# Altium PCB dcdc fix PT1000_16CH.PCBDOC (part 5 of 5)
Units mm, origin at the board's own origin, x right, y up, seen from the top; angles counter-clockwise.
Board outline 289.59 x 100 mm, 4 copper layers (TOP, G1, L2, BOT), stack 1.55 mm thick; 578 components, 662 nets, 2471 pads, 1032 vias.
Unrouted connection lines stored in the file: 760.
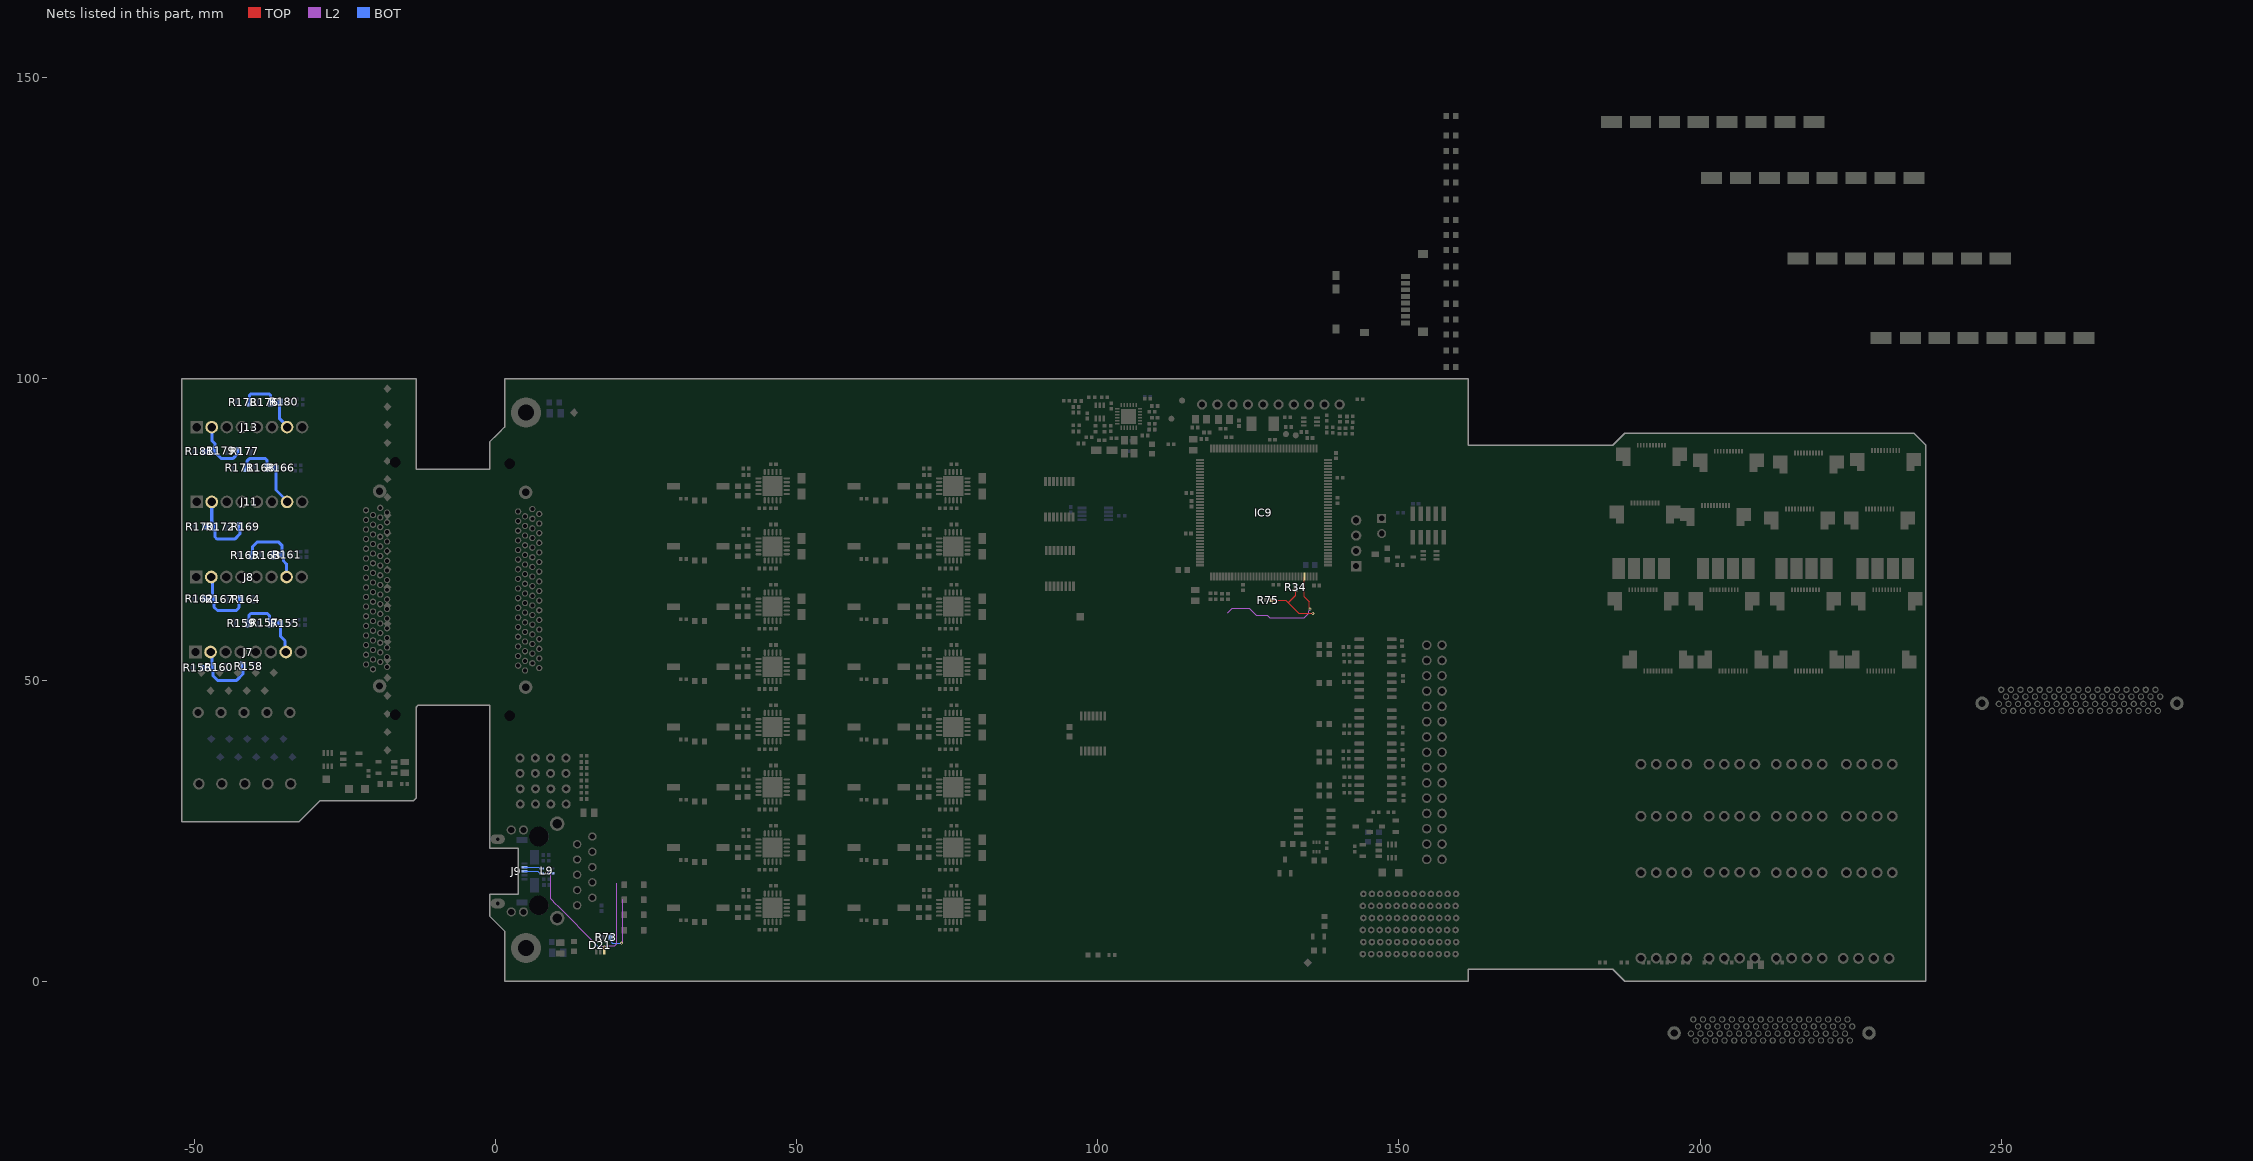
[diagram p7: the nets of this part, all layers, seen from the top]

## Via types
v1: diameter 0.5, hole 0.2, TOP to BOT, tented both sides, 951 vias
v2: diameter 0.7, hole 0.4, TOP to BOT, tented both sides, 56 vias
v3: diameter 0.6, hole 0.3, TOP to BOT, 10 vias
v4: diameter 0.6, hole 0.3, TOP to BOT, tented both sides, 5 vias
v5: diameter 0.5, hole 0.2, TOP to BOT, 5 vias
v6: diameter 0.66, hole 0.33, TOP to BOT, tented both sides, 5 vias

## Nets (pads, with @x,y where several pads share a name; then routed paths per layer and width w, separated by ;. In a path a pad name is that pad's centre, name@x,y a point inside that pad or via, vN(x,y) a via of type N, cw(c..) or ccw(c..) an arc to the next point about the centre after c; other vN are vias at no path point) (continued)
USB_P: D21.3 IC9.104 L9.3 | length 52
  TOP w0.127: v1(18.048,5.689) 18.048,4.902 D21.3@18.05,4.9
  TOP w0.17: IC9.104@134.328,67.194 134.239,67.105 134.239,63.867 135.079,63.027 135.079,62.012
  L2 w0.127: 121.596,61.175 122.32,61.898 125.134,61.898 126.276,60.757 128.146,60.757 128.583,60.32 134.31,60.32 135.058,61.068 135.058,61.54 135.231,61.714 v1(135.231,61.77)
  L2 w0.152: v1(8.475,18.009) 8.569,18.009 8.73,18.17 8.953,18.17 9.179,17.944 9.179,13.652 10.021,12.811 10.236,12.595 16.992,5.839 17.804,5.839 ; v1(18.048,5.689) 18.139,5.689 18.311,5.862 19.767,5.862 20.104,6.199 20.104,16.247
  BOT w0.127: 8.684,18.183 8.916,18.183 8.938,18.16 8.938,18.059 9.075,17.922 L9.3@9.325,17.922
USB_VBUS: R34.2 R73.1 R75.1 | length 20.3
  TOP w0.127: R75.1@128.798,63.294 131.193,63.294 131.62,62.867 ; R34.2@132.828,64.929 132.828,64.075 131.62,62.867 ; v1(135.691,61.094) 133.393,61.094 131.62,62.867
  L2 w0.127: v1(20.94,6.307) 21.15,6.517 21.15,13.55
  BOT w0.127: R73.1@19.175,7.275 19.175,6.525 19.393,6.307 v1(20.94,6.307)
USBJ_N: J9.2 L9.1 | length 2.9
  BOT w0.127: J9.2@4.8,18.9 7.197,18.9 7.375,18.722 L9.1@7.625,18.722
USBJ_P: J9.3 L9.4 | length 3
  BOT w0.127: J9.3@4.8,18.25 7.047,18.25 7.375,17.922 L9.4@7.625,17.922
Vrefb0+: J7.7 R155.1 R157.2 R159.2 | length 13
  BOT w0.5: R159.2@-41.123,59.461 -40.898,59.686 -40.898,60.799 -40.64,61.056 -37.9,61.056 -37.554,60.71 -37.554,59.712 R157.2@-37.329,59.487 -37.316,59.474 -35.738,59.474 R155.1@-35.725,59.461 -35.725,57.267 -34.971,56.512 -34.971,54.959 J7.7@-34.823,54.812
Vrefb0-: J7.2 R156.2 R158.2 R160.2 | length 13.1
  BOT w0.5: R156.2@-48.628,52.045 -48.59,52.083 -46.936,52.083 R160.2@-46.898,52.121 ; J7.2@-47.323,54.812 -47.111,54.599 -47.111,52.334 R160.2@-46.898,52.121 ; R158.2@-41.945,52.324 -41.945,50.994 -42.977,49.962 -46.155,49.962 -46.898,50.705 R160.2@-46.898,52.121
Vrefb1+: J8.7 R161.1 R163.2 R165.2 | length 14.3
  BOT w0.5: R165.2@-40.64,70.612 -40.335,70.917 -40.335,72.187 -39.624,72.898 -35.992,72.898 -35.42,72.326 R161.1@-35.42,70.841 ; R163.2@-37.033,71.171 -37.033,71.148 -36.688,70.802 -35.458,70.802 R161.1@-35.42,70.841 ; J8.7@-34.698,67.263 -34.698,69.242 ; -34.671,69.215 -34.698,69.242 ; R161.1@-35.42,70.841 -35.22,70.641 -35.22,69.764 -34.698,69.242
Vrefb1-: J8.2 R162.2 R164.2 R167.2 | length 13.1
  BOT w0.5: R162.2@-48.324,63.525 -48.273,63.475 R167.2@-46.787,63.475 ; J8.2@-47.219,67.361 -46.961,67.103 -46.961,63.649 R167.2@-46.787,63.475 ; R164.2@-42.443,63.449 -42.586,63.307 -42.586,62.012 -43.053,61.544 -46.177,61.544 -46.736,62.103 R167.2@-46.736,63.424 R167.2@-46.787,63.475
Vrefb2+: J11.7 R166.1 R168.2 R171.2 | length 13.8
  BOT w0.5: R171.2@-41.469,85.268 -41.244,85.493 -41.244,86.407 -40.885,86.766 -38.206,86.766 -37.913,86.474 R168.2@-37.913,85.268 -37.9,85.255 -36.462,85.255 R166.1@-36.449,85.242 -36.449,81.558 J11.7@-34.623,79.732
Vrefb2-: J11.2 R169.2 R170.2 R172.2 | length 13.7
  BOT w0.5: R170.2@-48.273,75.463 R172.2@-46.609,75.463 ; J11.2@-47.123,79.732 -47.123,76.227 -46.609,75.713 R172.2@-46.609,75.463 ; R169.2@-42.453,75.489 -42.453,74.268 -43.315,73.406 -46.203,73.406 -46.568,73.771 -46.568,75.422 R172.2@-46.609,75.463
Vrefb3+: J13.7 R176.2 R178.2 R180.1 | length 12.3
  TOP w0.127: J13.7@-34.621,92.153 J13.7@-34.442,92.153
  BOT w0.5: R178.2@-40.885,96.114 -40.885,97.243 -40.592,97.536 -37.631,97.536 -37.338,97.243 R176.2@-37.338,96.139 -37.3,96.177 -35.89,96.177 R180.1@-35.852,96.215 -35.852,93.384 J13.7@-34.621,92.153
Vrefb3-: J13.2 R177.2 R179.2 R181.2 | length 11.3
  BOT w0.5: R181.2@-48.298,87.986 -48.247,88.036 -46.618,88.036 R179.2@-46.568,88.087 ; J13.2@-47.121,92.153 -47.121,89.793 -46.609,89.281 -46.609,88.129 R179.2@-46.568,88.087 ; R177.2@-42.681,87.986 -42.681,87.736 -43.651,86.766 -45.497,86.766 -46.568,87.837 R179.2@-46.568,88.087
pads on no net: D3.1 D3.6 D12.2 D21.6 D27.1 D27.6 D36.1 D36.3 FTG1.1 FTG2.1 FTG3.1 FTG4.1 IC2.5 IC9.3 IC9.4 IC9.5 IC9.14 IC9.15 IC9.18 IC9.29 IC9.34 IC9.37 IC9.46 IC9.47 IC9.49 IC9.58 IC9.60 IC9.64 IC9.67 IC9.70 IC9.81 IC9.82 IC9.85 IC9.86 IC9.89 IC9.90 IC9.91 IC9.92 IC9.96 IC9.97 IC9.115 IC9.117 IC9.118 IC9.119 IC9.122 IC9.123 IC9.127 IC28.5 IC29.3 IC29.4 IC29.6 IC30.5 IC30.6 IC33.4 IC36.3 IC36.5 IC36.6 IC39.3 IC39.4 IC39.6 IC84_1.17 IC84_1.18 IC84_2.17 IC84_2.18 IC84_3.17 IC84_3.18 IC84_4.17 IC84_4.18 IC84_5.17 IC84_5.18 IC84_6.17 IC84_6.18 IC84_7.17 IC84_7.18 IC84_8.17 IC84_8.18 IC84_9.17 IC84_9.18 IC84_10.17 IC84_10.18 IC84_11.17 IC84_11.18 IC84_12.17 IC84_12.18 IC84_13.17 IC84_13.18 IC84_14.17 IC84_14.18 IC84_15.17 IC84_15.18 IC84_16.17 IC84_16.18 J1.71 J1.72 J2.71 J2.72 J3.A5 J3.B1 J3.B5 J3.B6 J3.C6 J3.D5 J3.E2 J3.E4 J3.E5 J3.F2 J3.F4 J3.G3 J3.H2 J3.H3 J3.H6 J3.I2 J3.I6 J3.J3 J3.K3 J3.K6 J3.L2 J3.L6 J10.MH1 J10.MH2 J21.7 J21.9 J500.69 J500.70 J500.71 J500.72 J501.MECH J511.MECH J512.MECH J513.MECH J514.69 J514.70 J514.71 J514.72 J517.MECH J521.MECH J522.MECH J525.MECH J534.MECH J543.MECH J552.MECH J561.MECH J562.MECH J571.MECH J580.MECH J589.MECH
copper on no net: | length 379.4
  TOP w0.127: 72.4,94.385 73.9,94.385 74.25,94.735 v1(75.075,94.735) ; 81.512,93.462 81.525,93.475 81.512,93.488 ; 83.839,94.495 85.243,94.495 85.756,95.008 87.206,95.008 ; 89.806,95.008 91.402,95.008 91.552,94.858 ; 91.53,93.236 91.552,93.258 ; 97.076,55.834 97.087,55.845 ; v1(118.317,21.285) 118.317,21.977 118.856,22.517 120.283,22.517 ; 118.415,49.918 v1(118.415,50.52) ; 120.578,60.318 120.69,60.431 121.668,60.431 121.607,60.492 ; 121.95,58.531 123.215,58.531 124.435,59.751 126,59.751 ; v1(125.071,22.517) 126.583,22.517 ; v1(125.16,23.756) 125.191,23.787 126.583,23.787 ; v1(125.378,18.052) 125.378,18.979 125.465,19.066 ; 126.415,16.766 126.415,15.992 126.583,15.824 132.255,15.824 134.008,14.072 136.529,14.072 ; 127.365,19.066 v1(128.304,19.066) ; 128.234,47.256 128.141,47.349 128.141,48.693 v1(128.919,48.693) ; 128.315,10.9 128.183,11.033 128.183,12.647 128.823,12.647 129.006,12.83 129.006,13.889 129.188,14.072 130.229,14.072 ; 130.229,12.802 131.345,12.802 132.5,11.646 132.5,10.72 133.251,10.72 133.633,10.338 133.633,8.705 133.187,8.259 133.187,8.209 132.8,7.822 132.75,7.822 ; 138.203,76.069 141.468,76.069 142.037,75.499 144.533,75.499 144.602,75.569 v1(144.635,75.569) ; v1@143.482,60.94 v1@143.565,60.856 ; 145.371,61.803 145.405,61.77 145.655,62.02 ; v1(150.125,61.17) 150.125,61.803
  TOP w0.254: 64.77,92.558 64.77,91.694 65.474,90.99 69.645,90.99 70.698,89.938 70.698,89.713 ; 64.84,89.3 65.151,89.611 ; 65.163,92.362 65.68,91.845 67.1,91.845 ; 67.142,89.713 68.698,89.713 ; 76.885,93.135 77.225,93.475 77.225,92.319 81.329,88.215 v1(89.039,88.215) ; v1(81.512,92.195) 81.512,93.462 ; 81.512,93.488 v1(81.512,94.659) ; v2(82.601,94.945) 82.686,94.86 82.686,94.688 83.819,93.555 83.839,93.555 ; v1(91.53,92.25) 91.53,93.236 ; 91.552,94.858 91.811,95.117 92.459,95.117 v1(92.46,95.116) ; 97.076,51.143 97.276,51.344 98.866,51.344 ; 97.076,53.489 97.239,53.652 99.686,53.652 ; 97.087,55.845 99.686,55.845 ; 100.466,51.344 100.508,51.385 101.789,51.385 ; 100.466,58.205 100.474,58.197 101.789,58.197 ; 100.466,60.476 100.474,60.468 101.789,60.468 ; 100.626,53.652 100.63,53.656 101.789,53.656 ; 100.626,55.845 100.707,55.926 101.789,55.926 ; v1(103.257,8.677) 105.998,8.677 ; 103.272,9.953 103.974,9.953 104.285,10.264 v1(104.283,10.264) ; 103.325,11.55 v1(104.079,11.55) ; 104.33,70.4 104.33,70.42 ; 105.15,67.425 105.27,67.545 105.27,70.4 106.325,70.4 106.258,70.467 106.258,71.564 106.11,71.713 106.01,71.713 105.837,71.886 105.837,72.361 ; 111.76,53.485 114.662,53.485 115.256,52.891 117.765,52.891 ; 116.69,21.31 119.125,23.745 120.241,23.745 120.283,23.787 ; 118.415,48.978 118.435,48.978 119.007,49.55 119.71,49.55 120.376,49.55 120.853,50.027 121.267,50.027 121.29,50.05 122.366,50.05 122.815,49.6 122.865,49.6 ; 119.71,49.05 119.805,49.05 ; 119.828,47.733 119.828,49.027 119.805,49.05 ; v1(120.5,49.014) 120.464,49.014 120.428,49.05 119.805,49.05 ; v1(120.887,55.48) 120.912,55.456 123.141,55.456 123.165,55.431 ; 121.29,49.05 121.352,49.05 121.375,49.027 121.333,49.027 121.333,48.546 v2(121.375,48.504) ; 121.29,49.55 121.313,49.527 121.608,49.527 122.492,48.642 122.492,48.323 122.815,48 122.865,48 ; v2(121.375,52.124) 121.404,52.124 121.906,51.621 123.165,51.621 ; v1(121.398,46.518) 121.404,46.523 121.404,46.58 121.4,46.583 121.4,47.458 ; 123.165,52.891 123.3,53.026 124.321,53.026 124.506,53.211 125.85,53.211 ; 124.55,60.431 124.8,60.431 125.728,60.431 ; 125.934,20.502 125.934,20.452 126.36,20.025 126.36,18.123 125.466,17.229 125.466,16.11 126.077,15.499 131.261,15.499 132.048,15.499 134.745,12.802 136.529,12.802 ; 127.211,20.129 127.534,20.452 127.534,20.502 127.753,20.722 127.753,21.234 v2(128.48,21.962) ; 130.763,10.652 130.988,10.652 131.336,10.304 131.336,10.247 131.803,9.78 132.5,9.78 ; 144.421,64.714 144.421,65.043 145.069,65.691 146.098,65.691 146.271,65.864 146.271,66.114 ; 148.237,63.454 148.237,63.704 149.154,64.621 150.125,64.621 150.125,65.629 ; 150.125,62.751 150.125,63.681
  TOP w0.3: v1(84.319,92.848) 85.396,92.848 85.406,92.858 85.581,92.858 85.956,93.233 85.956,93.408 86.475,93.928 87.075,93.928 87.206,94.058 ; 103.439,51.385 v4@104.314,51.385 ; 103.439,53.656 v4(104.314,53.656) ; 103.439,55.926 v4(104.314,55.926) ; 103.439,58.197 v4(104.314,58.197) ; 103.439,60.468 103.494,60.412 104.215,60.412 v4(104.27,60.357) ; v1(120.451,20.955) 120.451,20.151 120.4,20.1 v1(121.797,20.1) ; 120.578,59.378 120.68,59.481 121.95,59.481 122.1,59.631 122.492,59.631 122.526,59.665 122.601,59.665 122.839,59.902 122.839,60.083 v1(122.877,60.121) ; v1(122.918,21.36) 122.918,20.582 123.2,20.3 124.535,20.3 v1(124.591,20.244) ; v1@124.236,43.025 125.217,43.025 125.85,43.658 ; v1(124.253,27.996) 125.396,27.996 125.85,27.542 ; v1(125.85,29.11) 125.85,27.542 ; v1(125.85,45.18) 125.85,43.658 ; v1(127.527,43.02) 127.518,43.029 126.48,43.029 125.85,43.658 ; v1(127.543,27.996) 126.458,27.996 125.927,27.465 125.85,27.542 ; v1@143.482,60.94 143.482,61.912 ; 145.655,62.02 v1(146.269,62.02) ; v1(147.202,65.139) 147.202,65.969 147.287,66.054 147.249,66.017 ; 147.212,66.054 v1(147.212,67.045)
  TOP w0.4: 102.517,6.325 104.956,6.325 105.998,7.366 105.998,8.677
  TOP w0.5: v2@75.36,93.091 77.038,93.091 77.064,93.116
  TOP w0.508: v1(63.275,94.971) 63.575,94.671 64.479,94.671 64.758,94.393 67.092,94.393 67.1,94.385 ; 105.825,79.5 105.825,77.773 105.837,77.761 ; 105.99,80.935 106.04,80.935 106.119,80.856 106.819,80.856 106.875,80.8 ; v1(107.225,69.754) 107.225,70.4 108.122,70.4 108.377,70.655 108.377,72.361 ; 128.234,46.316 128.257,46.293 v1(128.848,46.293) ; 143.482,61.912 143.537,61.858 145.317,61.858 145.371,61.803 ; v1@147.833,93.3 149.55,93.3 ; v1@149.55,95.075 149.55,93.3 ; v1@151.341,93.3 149.55,93.3
  TOP w0.762: 111.76,7.753 109.479,10.034 109.479,21.398 110.815,22.734 113.041,22.734 114.465,21.31 116.69,21.31 117.5,20.5 117.5,19.572 118.928,18.144 119.031,18.144 120,17.175 120,17 ; 111.76,10.293 116.282,10.293 118.184,12.195 120.905,12.195 122.77,14.06 122.77,14.75 ; 120.23,14.75 120.23,16.73 ; 120.5,4.5 120.5,7.25 120.5,9.554 120.946,10 123.5,10 126.185,7.315 126.185,6.128 126.572,5.74 ; 122.77,7.25 122.711,7.191 122.711,5.487 123.158,5.04 123.408,5.04 123.5,4.948 123.5,4 ; 122.918,7 v2(124,7) ; 123.06,14.06 123.2,14.2 123.2,17.3 ; v2(125.466,12.377) 125.752,12.663 126.517,12.663 126.583,12.597 126.415,12.43 126.415,10.9 ; 126.5,10.5 127.246,9.754 128.96,9.754 129.764,10.558 130.444,10.558 130.538,10.652 130.763,10.652 ; 127.5,8.5 127.611,8.611 v2(128.756,8.611) 128.883,8.484 129.998,8.484 130.072,8.558 130.669,8.558 130.763,8.652
  TOP w1.016: 122.589,60.318 124.376,58.531 ; 124.55,58.531 125.304,58.531 125.85,57.985 125.85,56.211
  L2 w0.127: v1(125.85,29.11) v1@125.861,29.121
  L2 w0.762: v2(124,7) 127.146,7 v2(128.756,8.611)
  BOT w0.127: 116.76,12.833 116.997,12.833 123.317,19.153 123.317,21.285 ; v1(144.635,75.569) 145.492,74.711 145.492,51.621 145.492,39.243 145.214,38.964 145.214,33.01
  BOT w0.2: 67.102,14.843 70.3,14.843
  BOT w0.254: 108.257,8.677 108.257,9.587 108.275,9.605 ; 108.275,10.545 109.002,10.545 109.283,10.264
  BOT w0.5: 73.394,93.091 v2(75.336,93.091)
  other v1: 185.975,2.842 185.975,3.342 185.975,3.842 183.495,4.067 185.975,4.342 183.495,4.567 185.975,4.842 183.495,5.067 185.975,5.342 183.495,5.584 185.975,5.842 183.495,6.084 183.495,6.584 185.995,6.671 183.495,7.084 185.995,7.171 183.495,7.584 185.995,7.671 183.495,8.084 185.995,8.171 183.495,8.584 185.995,8.671 185.995,9.171 183.495,9.199 185.995,9.671 183.495,9.699 183.495,10.199 185.995,10.671 183.495,10.699 185.995,11.171 183.495,11.199 185.995,11.671 183.495,11.699 185.995,12.171 183.495,12.199 185.995,12.671 183.495,13 185.995,13.171 183.495,13.5 185.995,13.671 183.495,14 183.495,14.5 185.995,14.566 183.495,15 185.995,15.066 183.495,15.5 185.995,15.566 183.495,16 185.995,16.066 185.995,16.566 183.495,17 185.995,17.066 183.495,17.5 185.995,17.566 183.495,18 185.995,18.171 183.495,18.5 185.995,18.671 183.495,19 185.995,19.171 183.495,19.5 185.995,19.671 183.495,20 185.995,20.171 185.995,20.671 183.495,21 185.995,21.171 183.495,21.5 183.495,22 183.495,22.5 183.495,23 183.495,23.5 183.495,24 183.495,25 183.495,25.5 183.495,26 183.495,26.5 183.495,27 183.495,27.5 183.495,28 183.495,29 183.495,29.5 183.495,30 183.495,30.5 183.495,31 183.495,31.5 183.495,32 183.495,32.895 183.495,33.395 183.495,33.895 183.495,34.395 183.495,34.895 183.495,35.395 183.495,35.895 183.495,36.75 183.495,37.25 183.495,37.75 183.495,38.25 183.495,38.75 183.495,39.25 183.495,39.75 183.495,40.59 183.495,41.09 183.495,41.59 184.495,42 184.995,42 185.495,42 185.995,42 186.495,42 186.995,42 187.495,42 188.254,42 188.754,42 189.254,42 189.754,42 190.254,42 190.754,42 191.254,42 191.864,42 192.364,42 192.864,42 193.364,42 193.864,42 194.364,42 194.864,42 195.464,42 195.964,42 196.464,42 196.964,42 197.464,42 197.964,42 198.464,42 199.214,42 199.714,42 200.214,42 200.714,42 201.214,42 201.714,42 202.214,42 202.884,42 203.384,42 203.884,42 204.384,42 204.884,42 205.384,42 205.884,42 206.389,42 206.889,42 207.389,42 207.889,42 208.389,42 208.889,42 209.389,42 209.995,42 210.495,42 210.995,42 211.495,42 211.995,42 212.495,42 212.995,42 213.635,42 214.135,42 214.635,42 215.135,42 215.635,42 216.135,42 216.635,42 217.274,42 217.774,42 218.274,42 218.774,42 219.274,42 219.774,42 220.274,42 220.995,42 221.495,42 221.995,42 222.495,42 222.995,42 223.495,42 223.995,42 224.724,42 225.224,42 225.724,42 226.224,42 226.724,42 227.224,42 227.724,42 228.384,42 228.884,42 229.384,42 229.884,42 230.384,42 230.884,42 231.384,42 231.964,42 232.464,42 232.964,42 233.464,42 233.964,42 234.464,42 234.964,42 235.495,42 235.995,42 236.495,42 183.495,42.09 183.495,42.59 185.995,43 124.231,43.02 183.495,43.09 185.995,43.5 183.495,43.59 185.995,44 183.495,44.481 185.995,44.5 183.495,44.981 185.995,45 183.495,45.481 185.995,45.5 183.495,45.981 185.995,46 183.495,46.481 183.495,46.981 185.995,47 183.495,47.481 185.995,47.5 185.995,48 183.495,48.5 185.995,48.5 183.495,49 185.995,49 183.495,49.5 185.995,49.5 183.495,50 185.995,50 183.495,50.5 185.995,50.895 183.495,51 185.995,51.395 183.495,51.5 185.995,51.895 183.495,52.397 185.995,52.395 185.995,52.895 183.495,52.897 183.495,53.397 185.995,53.395 183.495,53.897 185.995,53.895 183.495,54.397 185.995,54.5 183.495,54.897 185.995,55 183.495,55.397 185.995,55.5 185.995,56 183.495,56.334 185.995,56.5 183.495,56.834 185.995,57 183.495,57.334 185.995,57.5 183.495,57.834 183.495,58.334 184.495,58.632 184.995,58.632 185.495,58.632 185.995,58.632 186.495,58.632 186.995,58.632 187.495,58.632 188.254,58.632 188.754,58.632 189.254,58.632 189.754,58.632 190.254,58.632 190.754,58.632 191.254,58.632 191.864,58.632 192.364,58.632 192.864,58.632 193.364,58.632 193.864,58.632 194.364,58.632 194.864,58.632 195.464,58.632 195.964,58.632 196.464,58.632 196.964,58.632 197.464,58.632 197.964,58.632 198.464,58.632 199.214,58.632 199.714,58.632 200.214,58.632 200.714,58.632 201.214,58.632 201.714,58.632 202.214,58.632 202.884,58.632 203.384,58.632 203.884,58.632 204.384,58.632 204.884,58.632 205.384,58.632 205.884,58.632 206.389,58.632 206.889,58.632 207.389,58.632 207.889,58.632 208.389,58.632 208.889,58.632 209.389,58.632 209.995,58.632 210.495,58.632 210.995,58.632 211.495,58.632 211.995,58.632 212.495,58.632 212.995,58.632 213.635,58.632 214.135,58.632 214.635,58.632 215.135,58.632 215.635,58.632 216.135,58.632 216.635,58.632 217.274,58.632 217.774,58.632 218.274,58.632 218.774,58.632 219.274,58.632 219.774,58.632 220.274,58.632 220.995,58.632 221.495,58.632 221.995,58.632 222.495,58.632 222.995,58.632 223.495,58.632 223.995,58.632 224.724,58.632 225.224,58.632 225.724,58.632 226.224,58.632 226.724,58.632 227.224,58.632 227.724,58.632 228.384,58.632 228.884,58.632 229.384,58.632 229.884,58.632 230.384,58.632 230.884,58.632 231.384,58.632 231.964,58.632 232.464,58.632 232.964,58.632 233.464,58.632 233.964,58.632 234.464,58.632 234.964,58.632 235.495,58.632 235.995,58.632 236.495,58.632 183.495,58.834 183.495,59.334 224.495,59.482 197.464,59.5 210.964,59.5 197.464,60 210.964,60 224.495,59.982 183.495,60.271 224.495,60.482 197.464,60.5 210.964,60.5 143.565,60.77 183.495,60.771 224.495,60.982 197.464,61 210.964,61 183.495,61.271 197.464,61.5 210.964,61.5 224.495,61.482 183.495,61.771 224.495,62 197.464,62.018 210.964,62.018 183.495,62.271 197.464,62.518 210.964,62.518 224.495,62.5 183.495,62.771 224.495,63 197.464,63.018 210.964,63.018 183.495,63.271 224.495,63.5 197.464,63.518 210.964,63.518 197.464,64.018 210.964,64.018 224.495,64 183.495,64.209 224.495,64.5 197.464,64.518 210.964,64.518 183.495,64.709 224.495,65 197.464,65.018 210.964,65.018 183.495,65.209 183.495,65.709 197.464,65.795 210.964,65.795 224.495,65.777 183.495,66.209 224.495,66.277 197.464,66.295 210.964,66.295 183.495,66.709 224.495,66.777 197.464,66.795 210.964,66.795 183.495,67.209 197.464,67.295 210.964,67.295 224.495,67.277 224.495,67.777 197.464,67.795 210.964,67.795 183.495,68 224.495,68.277 197.464,68.295 210.964,68.295 183.495,68.5 197.464,68.795 210.964,68.795 224.495,68.777 183.495,69 224.495,69.392 197.464,69.41 210.964,69.41 183.495,69.5 197.464,69.91 210.964,69.91 224.495,69.892 183.495,70 224.495,70.392 197.464,70.41 210.964,70.41 183.495,70.5 183.495,71 184.495,71 184.995,71 185.495,71 185.995,71 186.495,71 186.995,71 187.495,71 188.254,71 188.754,71 189.254,71 189.754,71 190.254,71 190.754,71 191.254,71 191.864,71 192.364,71 192.864,71 193.364,71 193.864,71 194.364,71 194.864,71 195.464,71 195.964,71 196.464,71 196.964,71 197.464,71 197.964,71 198.464,71 199.214,71 199.714,71 200.214,71 200.714,71 201.214,71 201.714,71 202.214,71 202.884,71 203.384,71 203.884,71 204.384,71 204.884,71 205.384,71 205.884,71 206.389,71 206.889,71 207.389,71 207.889,71 208.389,71 208.889,71 209.389,71 209.995,71 210.495,71 210.995,71 211.495,71 211.995,71 212.495,71 212.995,71 213.635,71 214.135,71 214.635,71 215.135,71 215.635,71 216.135,71 216.635,71 217.274,71 217.774,71 218.274,71 218.774,71 219.274,71 219.774,71 220.274,71 220.995,71 221.495,71 221.995,71 222.495,71 222.995,71 223.495,71 223.995,71 224.724,71 225.224,71 225.724,71 226.224,71 226.724,71 227.224,71 227.724,71 228.384,71 228.884,71 229.384,71 229.884,71 230.384,71 230.884,71 231.384,71 231.964,71 232.464,71 232.964,71 233.464,71 233.964,71 234.464,71 234.964,71 235.495,71 235.995,71 236.495,71 183.495,71.48 183.495,71.98 183.495,72.48 183.495,72.98 183.495,73.48 183.495,73.98 183.495,74.48 183.495,75 183.495,75.5 183.495,76 183.495,76.5 183.495,77 183.495,77.5 183.495,78 183.495,78.5 183.495,79 183.495,79.5 183.495,80 183.495,80.5 183.495,81 183.495,81.5 183.495,82 183.495,82.5 183.495,83 183.495,83.5 183.495,84 183.495,84.5 183.495,85 183.495,85.5 183.495,86 183.495,86.5 183.495,87 183.495,87.5 183.495,88 147.797,93.296 151.341,93.296 149.554,95.12
  other v3: 69.755,92.541 70.688,92.532 68.859,92.558 68.885,93.751 69.774,93.802 70.688,93.802 70.714,94.996 68.809,95.021 69.774,95.021
  other v4: 104.389,51.385

## Polygon pours and split planes (outlines as drawn)
P3V3 on TOP "O8_Vs2" (solid, remove dead copper, shelved, pour order 53): 113.723,92.55 113.723,65.094 115.84,62.977 137.87,62.977 139.744,61.102 142.697,61.102 143.217,61.623 143.217,66.56 144.536,67.879 153.05,67.879 154.864,69.693 154.864,77.655 152.95,79.569 145.248,79.569 142.866,81.951 142.866,96.426 141.659,97.632 115.546,97.632 113.575,95.661 113.575,92.53
P12V0_IN on TOP "TOP-P12V0_IN" (solid, remove dead copper, shelved, pour order 51): 125.376,51.393 125.883,50.886 129.31,50.886 130.086,51.662 133.49,51.662 133.525,51.697 133.798,51.424 133.798,22.163 135.763,20.198 145.461,10.5 151.052,10.5 151.749,11.197 151.749,13.757 148.603,16.904 145.799,16.904 140.223,22.48 140.223,55.798 141.447,57.023 153.775,57.023 161.5,64.748 161.5,90.036 155.036,96.5 145.039,96.5 143.529,94.989 143.529,82.361 145.621,80.269 156.7,80.269 157.803,79.166 157.803,67.209 151.284,60.691 134.244,60.691 133.234,59.68 133.234,55.164 126.137,55.207 125.376,54.447
no net on TOP "O8_Vs2" (solid, remove dead copper, shelved, pour order 48): 133.554,51.308 133.579,31.572 115.864,31.572 115.864,56 117.014,57.15 123.654,57.15 124.71,56.094 124.71,48.792 126.375,47.127 128.165,47.127 128.828,47.789 128.828,49.768 130.368,51.308
P12V0 on TOP "O8_Vs2" (solid, remove dead copper, shelved, pour order 55): 108.687,58.007 113.011,62.332 122.497,62.332 126.298,58.531 131.895,58.531 132.705,57.721 132.705,55.842 132.344,55.481 125.668,55.481 121.785,59.364 116.705,59.364 115.637,58.296 115.637,25.382 113.011,22.757 113.011,3.711 111.4,2.1 109.425,2.1 108.687,2.838
P12V0_EEM on TOP "O8_Vs2" (solid, remove dead copper, shelved, pour order 47): 152.578,9.042 159.004,9.042 161.011,11.049 161.011,22.758 159.588,24.181 154.178,24.181 152.537,22.54 152.537,9.109 152.578,9.068
AVDDT_PHY on BOT "O8_Vs2" (solid, remove dead copper, shelved, pour order 56): 102.46,97.104 104.22,95.344 104.22,89.38 102.775,87.935 95.758,87.935 93.929,89.764 93.929,94.417 95.535,96.023 97.378,96.023 98.46,97.104
P3V3 on L2 "O8_Vs2" (solid, remove dead copper, shelved, pour order 52): 140.382,27.356 140.382,60.022 137.344,63.059 115.376,63.059 114.117,64.318 114.117,67.407 115.739,69.029 132.358,69.029 135.078,71.749 135.078,86.951 134.536,87.493 107.96,87.493 105.825,89.628 86.013,89.628 85.319,90.322 85.319,92.498 85.217,92.6 88.304,95.687 114.53,95.687 116.843,98 149.071,98 158.318,88.753 158.318,29.591 154.404,25.677 141.274,25.677 140.411,26.539 140.411,27.356
GND on G1 (split plane): 162 vertices, not listed, extent -51.586,0.51 236.984,99.49

## Keep-outs
KeepOutLayer:
  lines w0.254: 160.56,85.164 cw(c158.641,85.185) 160.56,85.185 ; 183.092,1.597 185.898,1.597 187.495,0 237.495,0 237.495,21.367 237.918,21.79 237.918,51.356 237.495,51.779 237.495,89 235.495,91 187.495,91 185.747,89.252 183.242,89.252

## Other copper
TOP:
  rectangle net LVDS0_P: 149.428,55.27 149.835,55.601
  rectangle net LVDS0_N: 149.377,56.439 149.835,56.794
  rectangle net NetIC19_6: 141.656,55.296 142.164,55.677
  rectangle net NetIC32_2: 141.986,32.334 142.723,32.817
  rectangle net NetIC32_3: 142.037,31.039 142.773,31.572
  rectangle net LVDS3_N: 150.038,40.996 150.495,41.402
  rectangle net LVDS4_P: 149.143,37.877 150.084,38.457
  rectangle net LVDS4_N: 149.09,39.191 149.988,39.746
BOT:
  rectangle net GND: 104.135,92.759 106.135,94.872
  rectangle net LVDS0_N: 149.377,56.439 149.86,56.82
  rectangle net LVDS0_P: 149.352,55.22 149.835,55.677
  rectangle net LVDS4_N: 149.428,39.294 149.809,39.675
  rectangle net LVDS4_P: 149.352,37.998 149.809,38.405
  rectangle net NetIC32_3: 142.367,31.064 142.9,31.521
G1 (plane layer: these items are gaps in the copper):
  rectangle: 14.475,22 15.878,23.525

## Silkscreen, mask and mechanical layers (free items; w line width, h text height)
TopOverlay:
  drawing of 542 lines, arcs and shapes, not listed
  text "GND" at -51.223,97.747 h1
  text "WUT ISE / CTI 2024" at 94.75,97.627 h1.02
  text "PT1000_8CH v2.0" at 65,97.5 h1.52
  text "SENS7" at -47.425,96.973 h1.2
  text "SENS6" at -39.936,96.973 h1.2
  text "+12V" at 151.473,91.215 h1.02
  text "GND" at -50.998,85.807 h1
  text "SENS5" at -47.425,84.577 h1.2
  text "SENS4" at -40.012,84.577 h1.2
  text "BOOT" at 146.8,77.427 h1 r270
  text "UART" at 140.132,76.54 h1
  text "GND" at 141.186,75.007 h1 r90
  text "GND" at -51.348,73.288 h1
  text "TX" at 139.268,73.075 h1
  text "SENS3" at -47.374,71.776 h1.2
  text "SENS2" at -39.962,71.776 h1.2
  text "RX" at 139.144,70.732 h1
  text "CPU JTAG" at 156.997,69.113 h1
  text "3V3" at 140.843,66.75 h1 r90
  text "SENS6" at 196.32,66.481 h0.76 r90
  text "SENS4" at 210.145,66.295 h0.76 r90
  text "SENS2" at 223.345,66.237 h0.76 r90
  text "SENS0" at 236.545,65.902 h0.76 r90
  text "F+" at 185.845,65.734 h0.76
  text "F+" at 185.845,65.734 h0.76
  text "I+" at 188.25,65.734 h0.76
  text "I+" at 188.25,65.734 h0.76
  text "I-" at 190.655,65.734 h0.76
  text "I-" at 190.655,65.734 h0.76
  text "F-" at 193.06,65.734 h0.76
  text "F-" at 193.06,65.734 h0.76
  text "F+" at 199.845,65.734 h0.76
  text "I+" at 202.25,65.734 h0.76
  text "I-" at 204.655,65.734 h0.76
  text "F-" at 207.06,65.734 h0.76
  text "F+" at 212.845,65.734 h0.76
  text "I+" at 215.25,65.734 h0.76
  text "I-" at 217.655,65.734 h0.76
  text "F-" at 220.06,65.734 h0.76
  text "F+" at 226.345,65.734 h0.76
  text "I+" at 228.75,65.734 h0.76
  text "I-" at 231.155,65.734 h0.76
  text "F-" at 233.56,65.734 h0.76
  text "EEM Downstream" at 150.956,64.15 h1
  text "/ Upstream" at 150.756,62.02 h1
  text "GND" at -50.873,60.562 h1
  text "SENS1" at -47.265,59.512 h1.2
  text "SENS0" at -39.853,59.512 h1.2
  text "SENS 0 1" at 225.539,48.745 h1.27
  text "SENS 2 3" at 212.785,48.693 h1.27
  text "SENS 6 7" at 186.766,48.641 h1.27
  text "SENS 4 5" at 199.279,48.632 h1.27
  text "GND" at -43.277,39.534 h1
  text "TEC3" at -50.643,39.472 h1.52
  text "TEC2" at -39.116,39.472 h1.52
  text "P3V3" at 62.153,36.378 h0.7 r90
  text "TEC1" at -50.157,27.915 h1.52
  text "GND" at -42.922,27.915 h1
  text "TEC0" at -38.704,27.915 h1.52
  text "SDA" at 148.196,15.64 h1
  text "SCL" at 144.877,15.566 h1
  text "4" at 189.674,14.461 h0.76 r180
  text "1" at 198.781,14.461 h0.76 r180
  text "4" at 223.254,14.461 h0.76 r180
  text "1" at 232.361,14.461 h0.76 r180
  text "SENS6" at 190.071,12.913 h1.52
  text "SENS4" at 202.509,12.913 h1.52
  text "SENS2" at 213.751,12.913 h1.52
  text "SENS0" at 223.636,12.913 h1.52
  text "P12V0" at 107.872,7.641 h0.7 r90
  text "4-F+ / 3-I+ / 2-I- / 1-F-" at 232.564,7.413 h1.02
  text "1" at 222.786,7.305 h0.76
  text "4" at 231.894,7.305 h0.76
  text "SENS7" at 190.071,6.933 h1.52
  text "SENS5" at 201.865,6.933 h1.52
  text "SENS3" at 212.995,6.933 h1.52
  text "SENS1" at 223.995,6.883 h1.52
BottomOverlay:
  drawing of 541 lines, arcs and shapes, not listed
  text "WUT ISE / CTI 2024" at 33.25,97.627 h1.02
  text "PT1000_8CH v2.0" at 62.75,97.5 h1.52
  text "F+" at 185.845,66.766 h0.76 r180
  text "I+" at 188.25,66.766 h0.76 r180
  text "I-" at 190.655,66.766 h0.76 r180
  text "F-" at 193.06,66.766 h0.76 r180
  text "F+" at 199.845,66.766 h0.76 r180
  text "I+" at 202.25,66.766 h0.76 r180
  text "I-" at 204.655,66.766 h0.76 r180
  text "F-" at 207.06,66.766 h0.76 r180
  text "F+" at 212.845,66.766 h0.76 r180
  text "I+" at 215.25,66.766 h0.76 r180
  text "I-" at 217.655,66.766 h0.76 r180
  text "F-" at 220.06,66.766 h0.76 r180
  text "F+" at 226.345,66.766 h0.76 r180
  text "I+" at 228.75,66.766 h0.76 r180
  text "I-" at 231.155,66.766 h0.76 r180
  text "F-" at 233.56,66.766 h0.76 r180
  text "SENS7" at 195.464,66.49 h0.76 r270
  text "SENS5" at 209.165,66.361 h0.76 r270
  text "SENS3" at 222.495,66.237 h0.76 r270
  text "SENS1" at 235.645,66.074 h0.76 r270
  text "WUT ISE 2021" at -20.621,60.475 h1.02 r270
  text "Thermostat 8CH /  breakout board v1.0" at -19.096,53 h1.52 r270
BottomSolder:
  rectangle: 219.242,0.199 225.947,3.171
  rectangle: 219.242,0.199 225.947,3.171
  rectangle: 219.242,0.199 225.947,3.171
  rectangle: 219.242,0.199 225.947,3.171
  rectangle: 219.242,14.499 225.947,17.471
  rectangle: 219.242,14.499 225.947,17.471
  rectangle: 219.242,14.499 225.947,17.471
  rectangle: 219.242,48.799 225.947,51.771
  rectangle: 219.242,48.799 225.947,51.771
  rectangle: 219.242,63.099 225.947,66.071
  rectangle: 219.242,63.099 225.947,66.071
  rectangle: 71.542,-117.6 78.248,-114.628
  rectangle: 42.442,-76.6 49.148,-73.628
  rectangle: 44.642,-110.6 51.348,-107.628
  rectangle: 3.142,-32.2 9.848,-29.228
  rectangle: 47.87,8.68 54.575,11.652
  rectangle: 47.142,44.145 53.848,47.117
  rectangle: 47.142,61.9 53.848,64.872
  rectangle: 70.39,66.319 77.095,69.291
  rectangle: 104.191,92.862 106.045,94.742
Mechanical1:
  lines w0.1: -52.096,26.5 -52.095,45.796 -52.096,45.805 -52.096,100 -13.195,100 -13.195,85.014 -0.989,85.014 -0.989,89.511 0.5,91 1.5,92 1.5,100 161.495,100 161.495,89 185.495,89 187.495,91 235.495,91 237.495,89 237.495,0 236.495,0 187.495,0 185.495,2 161.495,2 161.495,0 159.495,0 1.5,0 1.5,8.32 -0.989,10.809 -0.989,14.4 3.7,14.4 3.8,14.5 3.8,22 3.7,22.1 -0.989,22.1 -0.989,45.808 -1,45.819 -12.855,45.819 -13.183,45.491 -13.183,30.413 -13.596,30 -29.096,30 -32.596,26.5 -52.096,26.5
V Cut:
  text "V-cut layer" at -54.275,113.641 h5
  text "Core / 0.3mm" at 5.225,112.4 h1.52
  text "V-cut" at -9.75,87.405 h1
  text "V-cut" at -58.975,87.03 h1

## Text inside footprints (layer, text, board x,y; h text height)
J1: TopOverlay "36" at 2.739,51.706 h1.2 r90; TopOverlay "1" at 9.574,51.841 h1.2 r90; TopOverlay "68" at 2.739,77.306 h1.2 r90; TopOverlay "33" at 9.571,76.62 h1.2 r90; Mechanical14 "1" at 9.574,51.841 h1.2 r90; Mechanical14 "33" at 9.571,76.62 h1.2 r90; Mechanical8 "EDGE OF PCB" at -1.722,60.983 h1 r90
J2: TopOverlay "36" at -16.989,78.489 h1.2 r270; TopOverlay "1" at -23.824,78.354 h1.2 r270; TopOverlay "68" at -16.989,52.889 h1.2 r270; TopOverlay "33" at -23.821,53.575 h1.2 r270; Mechanical14 "1" at -23.824,78.354 h1.2 r270; Mechanical14 "33" at -23.821,53.575 h1.2 r270; Mechanical8 "EDGE OF PCB" at -12.528,69.212 h1 r270
J3: DrillDrawing "PRESS-FIT TECHNOLOGY" at 160.15,17 h1 r180; DrillDrawing "Diam. 0.5mm +/-0.05" at 160.15,18.5 h1 r180; TopOverlay "A" at 159.9,1.3 h1 r90; TopOverlay "B" at 158.5,1.3 h1 r90; TopOverlay "C" at 157.1,1.3 h1 r90; TopOverlay "D" at 155.7,2.3 h1 r90; TopOverlay "E" at 154.3,2.3 h1 r90; TopOverlay "F" at 152.9,2.3 h1 r90; TopOverlay "G" at 151.5,2.3 h1 r90; TopOverlay "H" at 150.1,2.3 h1 r90; TopOverlay "I" at 148.7,2.55 h1 r90; TopOverlay "J" at 147.3,2.3 h1 r90; TopOverlay "K" at 145.9,2.3 h1 r90; TopOverlay "L" at 144.5,2.3 h1 r90; TopOverlay "1" at 139.45,4.15 h1 r90; TopOverlay "2" at 139.45,6.15 h1 r90; TopOverlay "3" at 139.45,8.15 h1 r90; TopOverlay "4" at 139.45,10.15 h1 r90; TopOverlay "5" at 139.45,12.15 h1 r90; TopOverlay "6" at 139.45,14.15 h1 r90; Mechanical14 "A" at 159.9,1.3 h1 r90; Mechanical14 "B" at 158.5,1.3 h1 r90; Mechanical14 "C" at 157.1,1.3 h1 r90; Mechanical14 "D" at 155.7,2.3 h1 r90; Mechanical14 "E" at 154.3,2.3 h1 r90; Mechanical14 "F" at 152.9,2.3 h1 r90; Mechanical14 "G" at 151.5,2.3 h1 r90; Mechanical14 "H" at 150.1,2.3 h1 r90; Mechanical14 "I" at 148.7,2.55 h1 r90; Mechanical14 "J" at 147.3,2.3 h1 r90; Mechanical14 "K" at 145.9,2.3 h1 r90; Mechanical14 "L" at 144.5,2.3 h1 r90; Mechanical14 "1" at 139.45,4.15 h1 r90; Mechanical14 "2" at 139.45,6.15 h1 r90; Mechanical14 "3" at 139.45,8.15 h1 r90; Mechanical14 "4" at 139.45,10.15 h1 r90; Mechanical14 "5" at 139.45,12.15 h1 r90; Mechanical14 "6" at 139.45,14.15 h1 r90; Mechanical8 "Top Surface of Mother Board" at 173.75,5.125 h0.5 r90; Mechanical8 "Edge of Daugher Card" at 162.25,6.275 h0.5 r90
J12: TopOverlay "30" at 158.551,20.873 h1.02 r270; Mechanical14 "30" at 158.551,20.873 h1.02 r270
J32: TopOverlay "5" at -34.292,37.38 h1; TopOverlay "4" at -38.102,37.38 h1; TopOverlay "3" at -41.912,37.38 h1; TopOverlay "2" at -45.722,37.38 h1; TopOverlay "1" at -49.532,37.38 h1
J34: TopOverlay "5" at -34.423,49.219 h1; TopOverlay "4" at -38.233,49.219 h1; TopOverlay "2" at -45.853,49.219 h1; TopOverlay "1" at -49.663,49.219 h1
J500: Mechanical14 "1" at 249.846,50.724 h1.2 r180; Mechanical14 "33" at 274.625,50.721 h1.2 r180; BottomOverlay "36" at 249.711,43.889 h1.2 r180; BottomOverlay "1" at 249.846,50.724 h1.2 r180; BottomOverlay "68" at 275.311,43.889 h1.2 r180; BottomOverlay "33" at 274.625,50.721 h1.2 r180; Mechanical8 "EDGE OF PCB" at 258.988,39.428 h1 r180
J502: TopOverlay "3" at 227.226,34.258 h1 r180; TopOverlay "2" at 229.766,34.258 h1 r180; TopOverlay "1" at 232.052,34.258 h1 r180; TopOverlay "4" at 224.686,34.258 h1 r180
J503: TopOverlay "3" at 227.226,25.622 h1 r180; TopOverlay "2" at 229.766,25.622 h1 r180; TopOverlay "1" at 232.052,25.622 h1 r180; TopOverlay "4" at 224.686,25.622 h1 r180
J504: TopOverlay "3" at 215.575,34.258 h1 r180; TopOverlay "2" at 218.115,34.258 h1 r180; TopOverlay "1" at 220.401,34.258 h1 r180; TopOverlay "4" at 213.035,34.258 h1 r180
J505: TopOverlay "3" at 215.575,25.622 h1 r180; TopOverlay "2" at 218.115,25.622 h1 r180; TopOverlay "1" at 220.401,25.622 h1 r180; TopOverlay "4" at 213.035,25.622 h1 r180
J506: TopOverlay "3" at 204.405,34.258 h1 r180; TopOverlay "2" at 206.945,34.258 h1 r180; TopOverlay "1" at 209.231,34.258 h1 r180; TopOverlay "4" at 201.865,34.258 h1 r180
J507: TopOverlay "3" at 227.226,16.255 h1 r180; TopOverlay "2" at 229.766,16.255 h1 r180; TopOverlay "1" at 232.052,16.255 h1 r180; TopOverlay "4" at 224.686,16.255 h1 r180
J508: TopOverlay "3" at 204.405,25.622 h1 r180; TopOverlay "2" at 206.945,25.622 h1 r180; TopOverlay "1" at 209.231,25.622 h1 r180; TopOverlay "4" at 201.865,25.622 h1 r180
J509: TopOverlay "3" at 193.105,34.258 h1 r180; TopOverlay "2" at 195.645,34.258 h1 r180; TopOverlay "1" at 197.931,34.258 h1 r180; TopOverlay "4" at 190.565,34.258 h1 r180
J510: TopOverlay "3" at 193.105,25.622 h1 r180; TopOverlay "2" at 195.645,25.622 h1 r180; TopOverlay "1" at 197.931,25.622 h1 r180; TopOverlay "4" at 190.565,25.622 h1 r180
J514: Mechanical14 "1" at 198.716,-4.026 h1.2 r180; Mechanical14 "33" at 223.495,-4.029 h1.2 r180; BottomOverlay "36" at 198.581,-10.861 h1.2 r180; BottomOverlay "1" at 198.716,-4.026 h1.2 r180; BottomOverlay "68" at 224.181,-10.861 h1.2 r180; BottomOverlay "33" at 223.495,-4.029 h1.2 r180; Mechanical8 "EDGE OF PCB" at 207.858,-15.322 h1 r180
J515: TopOverlay "3" at 228.463,5.561 h1; TopOverlay "2" at 225.923,5.561 h1; TopOverlay "1" at 223.637,5.561 h1; TopOverlay "4" at 231.003,5.561 h1
J516: TopOverlay "3" at 215.575,16.255 h1 r180; TopOverlay "2" at 218.115,16.255 h1 r180; TopOverlay "1" at 220.401,16.255 h1 r180; TopOverlay "4" at 213.035,16.255 h1 r180
J518: TopOverlay "3" at 217.353,5.611 h1; TopOverlay "2" at 214.813,5.611 h1; TopOverlay "1" at 212.527,5.611 h1; TopOverlay "4" at 219.893,5.611 h1
J519: TopOverlay "3" at 204.405,16.305 h1 r180; TopOverlay "2" at 206.945,16.305 h1 r180; TopOverlay "1" at 209.231,16.305 h1 r180; TopOverlay "4" at 201.865,16.305 h1 r180
J520: TopOverlay "3" at 206.183,5.611 h1; TopOverlay "2" at 203.643,5.611 h1; TopOverlay "1" at 201.357,5.611 h1; TopOverlay "4" at 208.723,5.611 h1
J523: TopOverlay "3" at 193.105,16.255 h1 r180; TopOverlay "2" at 195.645,16.255 h1 r180; TopOverlay "1" at 197.931,16.255 h1 r180; TopOverlay "4" at 190.565,16.255 h1 r180
J524: TopOverlay "3" at 194.883,5.611 h1; TopOverlay "2" at 192.343,5.611 h1; TopOverlay "1" at 190.057,5.611 h1; TopOverlay "4" at 197.423,5.611 h1
LD11: TopOverlay "A" at 3.318,30.345 h1 r90; TopOverlay "B" at 5.858,30.345 h1 r90; TopOverlay "C" at 8.398,30.345 h1 r90; TopOverlay "D" at 10.938,30.345 h1 r90; TopOverlay "A" at 12.989,31.565 h1; TopOverlay "C" at 12.989,29.025 h1; Mechanical14 "A" at 3.318,30.345 h1 r90; Mechanical14 "B" at 5.858,30.345 h1 r90; Mechanical14 "C" at 8.398,30.345 h1 r90; Mechanical14 "D" at 10.938,30.345 h1 r90; Mechanical14 "C" at 12.989,29.025 h1; Mechanical14 "A" at 12.989,31.565 h1
LD12: TopOverlay "A" at 3.279,35.451 h1 r90; TopOverlay "B" at 5.819,35.451 h1 r90; TopOverlay "C" at 8.359,35.451 h1 r90; TopOverlay "D" at 10.899,35.451 h1 r90; TopOverlay "A" at 12.95,36.671 h1; TopOverlay "C" at 12.95,34.131 h1; Mechanical14 "A" at 3.279,35.451 h1 r90; Mechanical14 "B" at 5.819,35.451 h1 r90; Mechanical14 "C" at 8.359,35.451 h1 r90; Mechanical14 "D" at 10.899,35.451 h1 r90; Mechanical14 "C" at 12.95,34.131 h1; Mechanical14 "A" at 12.95,36.671 h1
SW1_1: TopOverlay "1" at 36.823,10.295 h1 r90; TopOverlay "ON" at 31.77,10.972 h0.89 r180; Mechanical14 "ON" at 31.108,11.311 h1 r90
SW1_2: TopOverlay "ON" at 31.77,20.972 h0.89 r180; TopOverlay "1" at 36.823,20.295 h1 r90; Mechanical14 "ON" at 31.108,21.311 h1 r90
SW1_3: TopOverlay "1" at 36.823,40.295 h1 r90; TopOverlay "ON" at 31.77,40.972 h0.89 r180; Mechanical14 "ON" at 31.108,41.311 h1 r90
SW1_4: TopOverlay "1" at 36.823,30.295 h1 r90; TopOverlay "ON" at 31.77,30.972 h0.89 r180; Mechanical14 "ON" at 31.108,31.311 h1 r90
SW1_5: TopOverlay "1" at 36.823,50.295 h1 r90; TopOverlay "ON" at 31.77,50.972 h0.89 r180; Mechanical14 "ON" at 31.108,51.311 h1 r90
SW1_6: TopOverlay "1" at 36.823,60.295 h1 r90; TopOverlay "ON" at 31.77,60.972 h0.89 r180; Mechanical14 "ON" at 31.108,61.311 h1 r90
SW1_7: TopOverlay "1" at 36.823,70.295 h1 r90; TopOverlay "ON" at 31.77,70.972 h0.89 r180; Mechanical14 "ON" at 31.108,71.311 h1 r90
SW1_8: TopOverlay "1" at 36.823,80.295 h1 r90; TopOverlay "ON" at 31.77,80.972 h0.89 r180; Mechanical14 "ON" at 31.108,81.311 h1 r90
SW1_9: TopOverlay "1" at 66.823,10.295 h1 r90; TopOverlay "ON" at 61.77,10.972 h0.89 r180; Mechanical14 "ON" at 61.108,11.311 h1 r90
SW1_10: TopOverlay "1" at 66.823,20.295 h1 r90; TopOverlay "ON" at 61.77,20.972 h0.89 r180; Mechanical14 "ON" at 61.108,21.311 h1 r90
SW1_11: TopOverlay "1" at 66.823,30.295 h1 r90; TopOverlay "ON" at 61.77,30.972 h0.89 r180; Mechanical14 "ON" at 61.108,31.311 h1 r90
SW1_12: TopOverlay "1" at 66.823,40.295 h1 r90; TopOverlay "ON" at 61.77,40.972 h0.89 r180; Mechanical14 "ON" at 61.108,41.311 h1 r90
SW1_13: TopOverlay "1" at 66.823,50.295 h1 r90; TopOverlay "ON" at 61.77,50.972 h0.89 r180; Mechanical14 "ON" at 61.108,51.311 h1 r90
SW1_14: TopOverlay "1" at 66.823,60.295 h1 r90; TopOverlay "ON" at 61.77,60.972 h0.89 r180; Mechanical14 "ON" at 61.108,61.311 h1 r90
SW1_15: TopOverlay "1" at 66.823,70.295 h1 r90; TopOverlay "ON" at 61.77,70.972 h0.89 r180; Mechanical14 "ON" at 61.108,71.311 h1 r90
SW1_16: TopOverlay "1" at 66.823,80.295 h1 r90; TopOverlay "ON" at 61.77,80.972 h0.89 r180; Mechanical14 "ON" at 61.108,81.311 h1 r90